# Altium PCB GN-1876-HI3519AV100_V1.PCBDOC (part 3 of 6)
Units mil, origin at the board's own origin, x right, y up, seen from the top; angles counter-clockwise.
Board outline 3755 x 2651.95 mil, 4 copper layers (Top Layer, Mid-Layer 1, Mid-Layer 2, Bottom Layer); 463 components, 378 nets, 2062 pads, 1225 vias.
Unrouted connection lines stored in the file: 13.
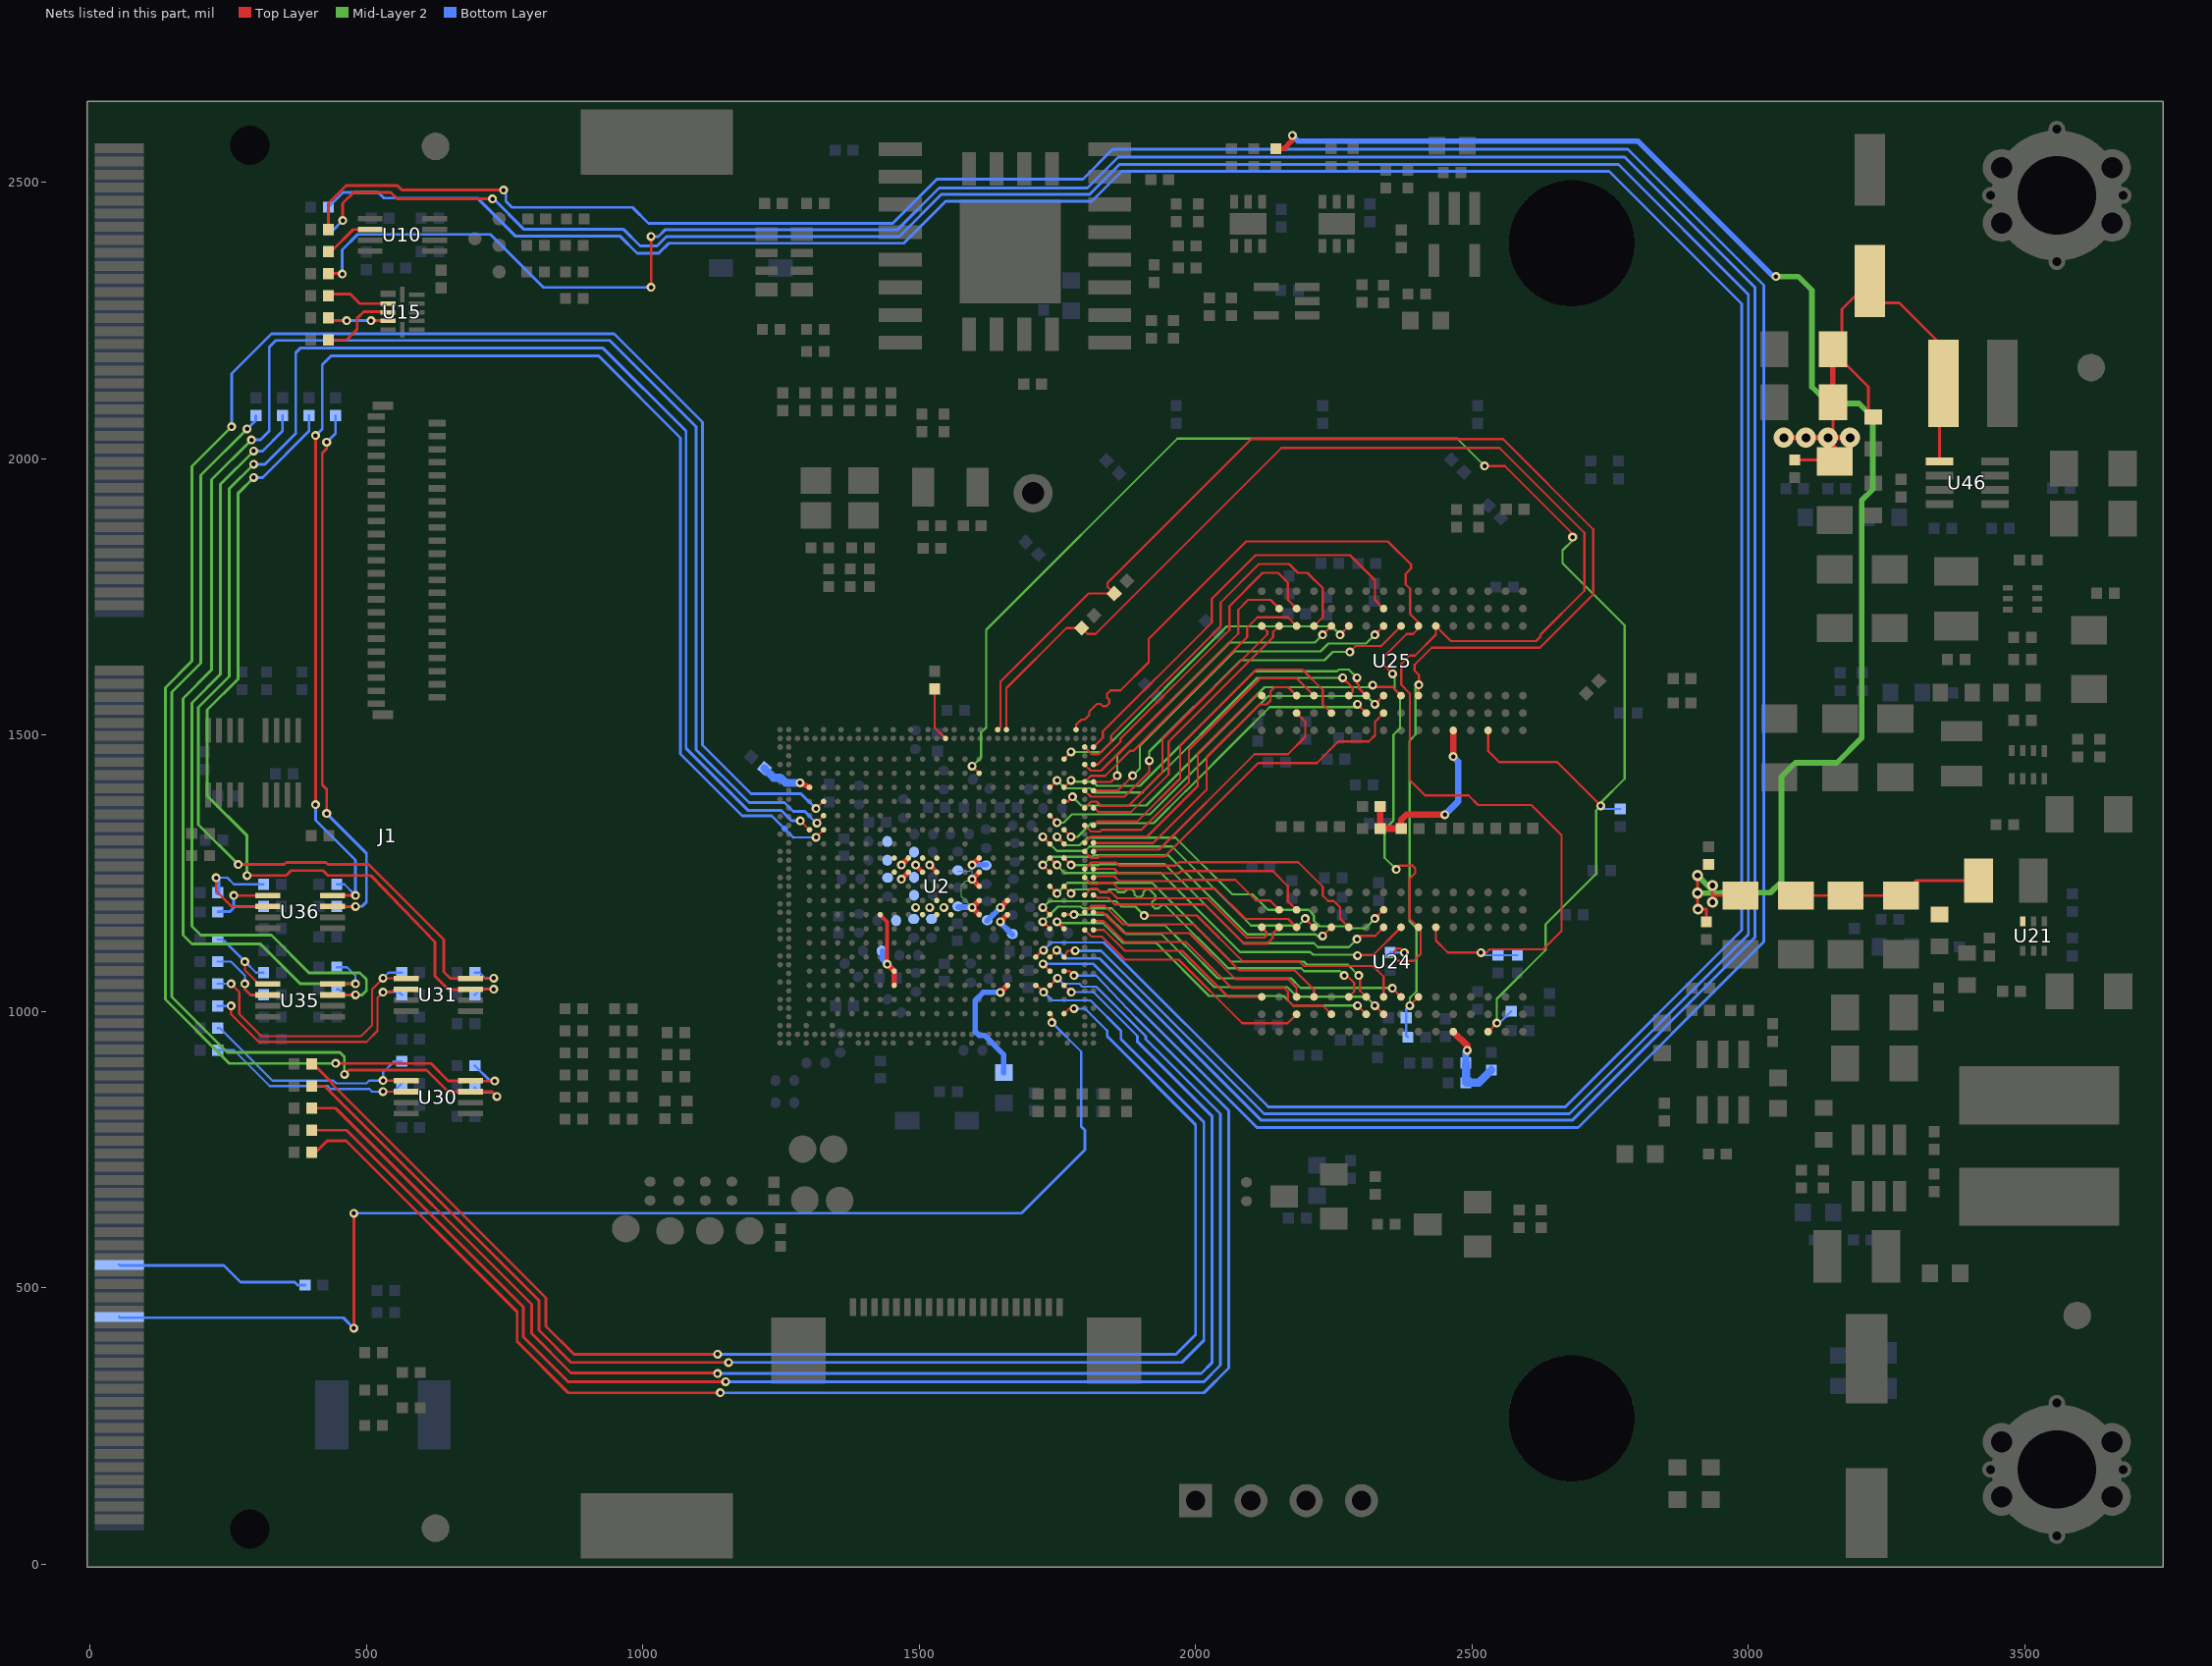
[diagram p5: the nets of this part, all layers, seen from the top]

## Via types
v1: diameter 16, hole 8, Top Layer to Bottom Layer, 733 vias
v2: diameter 20, hole 10, Top Layer to Bottom Layer, 362 vias
v3: diameter 18, hole 8, Top Layer to Bottom Layer, 100 vias
v4: diameter 36, hole 16, Top Layer to Bottom Layer, 30 vias

## Nets (pads, with @x,y where several pads share a name; then routed paths per layer and width w, separated by ;. In a path a pad name is that pad's centre, name@x,y a point inside that pad or via, vN(x,y) a via of type N, cw(c..) or ccw(c..) an arc to the next point about the centre after c; other vN are vias at no path point) (continued)
DDR0_CLK0_P: R225.2 U2.C1 U24.K7 U25.K7 | length 1769.2
  Top Layer w4: U2.C1@1783.66,1509.96 1783.6,1510.02 1783.6,1518.64 1793.31,1528.35 1799.45,1528.35 1807.73,1536.63 1807.73,1542.77 1821.56,1556.6 1828.2,1556.6 1832.13,1552.67 1838.77,1552.67 1843.48,1557.38 1843.48,1564.02 1839.55,1567.95 1839.55,1574.6 1846.11,1581.16 1864,1581.16 1915,1632.16 1915,1674.32 2091.38,1850.7 2347.54,1850.7 2389.63,1808.61 2389.63,1801.53 2380,1791.9 2380,1772.9 2388.1,1764.8 2388.1,1719.05 2403.12,1704.03 U25.K7@2403.12,1697.51 2403.12,1692.84 2393.44,1683.16 2382.01,1683.16 2341.13,1642.28 2341.13,1626.24 v1(2356.27,1611.1) ; v1(2363,1257.16) 2363,1259.16 2368,1264.16 2392.38,1264.16 2397.38,1259.16 2397.38,1250.54 2387.37,1240.53 2387.37,1168.26 U24.K7@2403.12,1152.51 2407.1,1148.53 2407.1,1104.26 2394.53,1091.69 2365.2,1091.69 2359.36,1097.53 2359.36,1108.71 2364.36,1113.71 2370.44,1113.71 v1(2377.45,1106.7)
  Mid-Layer 2 w4: v1(2356.27,1611.1) 2360,1607.37 2360,1582.84 2369.9,1572.94 2369.9,1512.49 2358,1500.59 2358,1345.14 2342,1329.14 2342,1278.16 v1(2363,1257.16)
  Bottom Layer w4: R225.2@2352.1,1106.7 v1(2377.45,1106.7)
DDR0_CS0_N: C225.1 R246.1 R247.2 U2.L1 U24.L7 U25.L7 | length 2948.7
  Top Layer w4: U2.L1@1657.67,1509.96 1657.69,1584.96 1766.58,1693.85 1793.69,1693.85 1804.38,1683.16 1819,1683.16 2155.54,2019.7 2549.52,2019.7 2703.33,1865.89 2703.33,1761.23 2624,1681.9 2624,1678.16 2616,1670.16 2461.97,1670.16 U25.L7@2434.62,1697.51 2434.62,1681.79 2396.99,1644.16 2387,1644.16 2372,1629.16 2372,1591.16 2387.38,1575.78 2387.38,1418.78 2415,1391.16 2493.74,1391.16 2511.24,1373.66 2607.24,1373.66 2662.1,1318.8 2662.1,1146 2628.8,1112.7 2532.54,1112.7 2526.54,1106.7 v1(2516,1106.7) 2456.46,1106.7 2434.62,1128.54 U24.L7@2434.62,1152.51
  Bottom Layer w4: v1(2516,1106.7) 2521,1101.7 R246.1@2547.1,1101.7 R247.2@2582.1,1101.7
DDR0_DM0: U2.1B9 U24.E7 | length 614.5
  Top Layer w4: v1(1723.62,1264.89) U2.1B9@1736.41,1252.09 ; v1(2229.9,1136.77) U24.E7@2245.64,1152.51
  Mid-Layer 2 w4: v1(1723.62,1264.89) 1738.47,1279.74 1812.1,1279.74 1815.06,1282.7 1950.47,1282.7 2093.47,1139.7 2217.46,1139.7 2220.39,1136.77 v1(2229.9,1136.77)
DDR0_DM1: U2.A23 U24.E2 | length 509.6
  Top Layer w4: U2.A23@1815.15,1163.51 1833.3,1163.51 1871.11,1125.7 1982.36,1125.7 2065.36,1042.7 2160.1,1042.7 2167.1,1035.7 2167.1,1019.7 2176.1,1010.7 2229.97,1010.7 U24.E2@2245.64,995.03
DDR0_DM2: U2.A7 U25.E7 | length 569.3
  Top Layer w4: U2.A7@1815.15,1415.48 1846.88,1415.48 v1(1858.1,1426.7) ; v1(2229.9,1681.77) U25.E7@2245.64,1697.51
  Mid-Layer 2 w4: v1(1858.1,1426.7) 1858.1,1464.25 2061.62,1667.77 2215.9,1667.77 v1(2229.9,1681.77)
DDR0_DM3: U2.A12 U25.E2 | length 629.7
  Top Layer w4: U2.A12@1815.15,1336.74 1822.11,1343.7 1894.1,1343.7 1972.1,1421.7 1972.1,1480.59 2110.21,1618.7 2193.1,1618.7 2229.89,1581.91 2229.89,1555.78 U25.E2@2245.64,1540.03
DDR0_DQ0: U2.1A13 U24.G2 | length 646.9
  Top Layer w4: v1(2292.9,1010.77) U24.G2@2308.64,995.03
  Top Layer w5.1: v1(1749.21,1162.51) U2.1A13@1762,1149.73
  Mid-Layer 2 w4: v1(1749.21,1162.51) 1751.52,1160.2 1832.16,1160.2 1868.04,1124.32 1928.57,1124.32 2024.57,1028.32 2159.22,1028.32 2176.77,1010.77 v1(2292.9,1010.77)
DDR0_DQ1: U2.B17 U24.F7 | length 557.3
  Top Layer w4: U2.B17@1799.41,1258 1811.11,1269.7 1856.09,1269.7 1861.66,1264.13 1964.13,1264.13 1970.13,1270.13 2185.76,1270.13 2230,1225.89 2230,1209.9 2239.74,1200.16 2249.74,1200.16 2261.39,1188.51 2261.39,1168.26 U24.F7@2277.14,1152.51
DDR0_DQ2: U2.1B12 U24.H3 | length 732.5
  Top Layer w4: v1(1907.1,1173.7) 2002.25,1173.7 2085.25,1090.7 2187.46,1090.7 2196,1082.16 2321,1082.16 2340.13,1063.03 U24.H3@2340.13,1026.53
  Top Layer w5.1: v1(1723.62,1188.1) U2.1B12@1736.41,1175.32
  Mid-Layer 2 w4: v1(1723.62,1188.1) 1735.22,1199.7 1856.1,1199.7 1866.1,1189.7 1891.1,1189.7 v1(1907.1,1173.7)
DDR0_DQ3: U2.1A8 U24.H7 | length 661.1
  Top Layer w4: U2.1A8@1762,1277.68 v1(1774.79,1264.89) ; v1(2292,1131.16) 2298,1137.16 2324.78,1137.16 U24.H7@2340.13,1152.51
  Mid-Layer 2 w4: v1(1774.79,1264.89) 1824.29,1264.89 1826.1,1266.7 1943.84,1266.7 2086.84,1123.7 2214.1,1123.7 2221.1,1116.7 2277.54,1116.7 v1(2292,1131.16)
DDR0_DQ4: U2.1A12 U24.H2 | length 652.8
  Top Layer w4: v1(2324.39,1010.77) U24.H2@2340.13,995.03
  Top Layer w5.1: U2.1A12@1762,1175.32 v1(1780.1,1175.32)
  Mid-Layer 2 w4: v1(1780.1,1175.32) 1839.14,1175.32 1874.14,1140.32 1937.55,1140.32 2033.55,1044.32 2165.85,1044.32 2183.4,1026.77 2308.39,1026.77 v1(2324.39,1010.77)
DDR0_DQ5: U2.1A7 U24.H8 | length 708.4
  Top Layer w4: v1(1749.21,1316.06) U2.1A7@1762,1303.27 ; v1(2324.39,1168.27) U24.H8@2340.13,1184.01
  Mid-Layer 2 w4: v1(1749.21,1316.06) 1764.57,1300.7 1790.1,1300.7 1804.1,1314.7 1963.73,1314.7 2066.53,1211.9 2103,1211.9 2130.89,1184.01 2204,1184.01 2214,1174.01 2214,1164.34 2224.09,1154.25 2271.65,1154.25 2275,1150.9 2307.02,1150.9 v1(2324.39,1168.27)
DDR0_DQ6: U2.1B13 U24.J3 | length 744.9
  Top Layer w4: v1(2355.89,1042.27) U24.J3@2371.63,1026.53
  Top Layer w5.1: v1(1723.62,1162.51) U2.1B13@1736.41,1149.73
  Mid-Layer 2 w4: v1(1723.62,1162.51) 1750.81,1189.7 1792.1,1189.7 1795.1,1186.7 1848.1,1186.7 1878.48,1156.32 1944.18,1156.32 1980,1120.51 1982.34,1118.17 2040.2,1060.32 2172.48,1060.32 2190.03,1042.77 2355.39,1042.77 v1(2355.89,1042.27)
DDR0_DQ7: U2.1B8 U24.J7 | length 729.6
  Top Layer w4: U2.1B8@1736.41,1277.68 v1(1749.2,1264.88) ; v1(2293,1101.16) 2294,1102.16 2321.28,1102.16 U24.J7@2371.63,1152.51
  Mid-Layer 2 w4: v1(1749.2,1264.88) 1763.38,1250.7 1937.21,1250.7 2080.21,1107.7 2207.47,1107.7 2212.47,1102.7 2291.46,1102.7 v1(2293,1101.16)
DDR0_DQ8: U2.A24 U24.A3 | length 354.7
  Top Layer w4: U2.A24@1815.16,1147.75 1834.06,1147.75 1872.11,1109.7 1975.73,1109.7 2058.9,1026.53 U24.A3@2119.66,1026.53
DDR0_DQ9: U2.A18 U24.B8 | length 363.8
  Top Layer w4: U2.A18@1815.15,1242.25 1817.6,1244.7 1853.02,1244.7 1861.59,1236.13 1975.73,1236.13 1977.73,1238.13 2071.67,1238.13 2109.1,1200.7 2134.47,1200.7 U24.B8@2151.16,1184.01
DDR0_DQ10: U2.A22 U24.C3 | length 440.5
  Top Layer w4: U2.A22@1815.15,1179.26 1832.55,1179.26 1870.11,1141.7 1988.99,1141.7 2071.99,1058.7 2167.1,1058.7 2182.65,1043.15 U24.C3@2182.65,1026.53
DDR0_DQ11: U2.B18 U24.C7 | length 422.1
  Top Layer w4: U2.B18@1799.41,1242.25 1810.96,1230.7 1823.1,1230.7 1825.1,1232.7 1850.1,1232.7 1860.67,1222.13 2035.67,1222.13 2090.1,1167.7 2167.46,1167.7 U24.C7@2182.65,1152.51
DDR0_DQ12: U2.B24 U24.C2 | length 460
  Top Layer w4: U2.B24@1799.41,1147.76 1811.47,1135.7 1830.1,1135.7 1872.1,1093.7 1969.1,1093.7 2084.1,978.7 2166.32,978.7 U24.C2@2182.65,995.03
DDR0_DQ13: U2.A17 U24.C8 | length 417.4
  Top Layer w4: U2.A17@1815.15,1258 1852.8,1258 1860.67,1250.13 1969.93,1250.13 1973.93,1254.13 2139.67,1254.13 2167.1,1226.7 2167.1,1199.56 U24.C8@2182.65,1184.01
DDR0_DQ14: U2.B22 U24.D3 | length 495.4
  Top Layer w4: U2.B22@1799.41,1179.26 1811.1,1190.95 1835.85,1190.95 1869.1,1157.7 1995.62,1157.7 2078.62,1074.7 2179.1,1074.7 2214.15,1039.65 U24.D3@2214.15,1026.53
DDR0_DQ15: U2.1B7 U24.D7 | length 593.3
  Top Layer w4: v1(1723.66,1316.02) U2.1B7@1736.41,1303.27 ; v1(2198.41,1168.25) U24.D7@2214.15,1152.51
  Mid-Layer 2 w4: v1(1723.66,1316.02) 1748.98,1290.7 1800.09,1290.7 1808.09,1298.7 1957.1,1298.7 2100.1,1155.7 2185.86,1155.7 v1(2198.41,1168.25)
DDR0_DQ16: U2.1A6 U25.G2 | length 657.7
  Top Layer w4: U2.1A6@1762,1328.86 v1(1774.79,1316.07) ; v1(2292.9,1555.77) U25.G2@2308.64,1540.03
  Mid-Layer 2 w4: v1(1774.79,1316.07) 1786.47,1316.07 1811.1,1340.7 1923.99,1340.7 1982.34,1399.05 1984.22,1400.94 2077.69,1494.4 2134.06,1550.77 2287.9,1550.77 v1(2292.9,1555.77)
DDR0_DQ17: U2.1A1 U25.F7 | length 627.2
  Top Layer w4: U2.1A1@1762,1456.81 v1(1774.79,1469.6) ; v1(2261.39,1681.76) U25.F7@2277.14,1697.51
  Mid-Layer 2 w4: v1(1774.79,1469.6) 1829.44,1469.6 2056.54,1696.7 2246.45,1696.7 v1(2261.39,1681.76)
DDR0_DQ18: U2.1B5 U25.H3 | length 716.6
  Top Layer w4: U2.1B5@1736.41,1354.45 v1(1749.2,1341.66) ; v1(2324.39,1555.79) U25.H3@2340.13,1571.53
  Mid-Layer 2 w4: v1(1749.2,1341.66) 1761.06,1341.66 1776.1,1356.7 1917.36,1356.7 2131.43,1570.77 2309.41,1570.77 v1(2324.39,1555.79)
DDR0_DQ19: U2.A8 U25.H7 | length 672.7
  Top Layer w4: U2.A8@1815.15,1399.73 1859.13,1399.73 v1(1886.1,1426.7) ; v1(2324.38,1681.76) U25.H7@2340.13,1697.51
  Mid-Layer 2 w4: v1(1886.1,1426.7) 1899.1,1439.7 1899.1,1481.26 2069.61,1651.77 2226.17,1651.77 2240.1,1665.7 2308.32,1665.7 v1(2324.38,1681.76)
DDR0_DQ20: U2.B15 U25.H2 | length 668.6
  Top Layer w4: U2.B15@1799.41,1289.49 1811.06,1277.84 1823.02,1277.84 1825.88,1280.7 1944.3,1280.7 2113.3,1449.7 2219.1,1449.7 2258.1,1488.7 2313.54,1488.7 2324.38,1499.54 2324.38,1524.28 U25.H2@2340.13,1540.03
DDR0_DQ21: U2.A3 U25.H8 | length 761.5
  Top Layer w4: U2.A3@1815.15,1478.47 1832.1,1495.42 1832.1,1506.7 2029.1,1703.7 2029.1,1746.7 2108.1,1825.7 2279.1,1825.7 2324.38,1780.42 2324.38,1744.76 U25.H8@2340.13,1729.01
DDR0_DQ22: U2.1A4 U25.J3 | length 718.1
  Top Layer w4: U2.1A4@1762,1380.04 1768.44,1380.04 v1(1777.1,1388.7) ; v1(2320.5,1590.66) 2323.89,1587.27 2355.89,1587.27 U25.J3@2371.63,1571.53
  Mid-Layer 2 w4: v1(1777.1,1388.7) 1793.1,1372.7 1910.73,1372.7 2124.8,1586.77 2316.61,1586.77 v1(2320.5,1590.66)
DDR0_DQ23: U2.B8 U25.J7 | length 726.1
  Top Layer w4: U2.B8@1799.41,1399.73 1810.44,1388.7 1871.1,1388.7 1916.1,1433.7 v1(1916.1,1453.7) ; v1(2279,1650.7) 2289.46,1661.16 2335.28,1661.16 U25.J7@2371.63,1697.51
  Mid-Layer 2 w4: v1(1916.1,1453.7) 1916.1,1470.27 2081.6,1635.77 2233.17,1635.77 2248.1,1650.7 v1(2279,1650.7)
DDR0_DQ24: U2.B14 U25.A3 | length 465.1
  Top Layer w4: U2.B14@1799.41,1305.24 1810.87,1316.7 1912.38,1316.7 2004.1,1408.42 2004.1,1467.33 2108.3,1571.53 U25.A3@2119.66,1571.53
DDR0_DQ25: U2.B5 U25.B8 | length 516
  Top Layer w4: U2.B5@1799.41,1446.97 1810.54,1435.84 1829.13,1435.84 2077.1,1683.81 2077.1,1726.81 2094.99,1744.7 2135.47,1744.7 U25.B8@2151.16,1729.01
DDR0_DQ26: U2.A14 U25.C3 | length 534.7
  Top Layer w4: U2.A14@1815.15,1305.24 1815.69,1304.7 1923.02,1304.7 2020.1,1401.78 2020.1,1460.7 2115.18,1555.78 2128.18,1555.78 2135.41,1563.01 2135.41,1579.01 2143.1,1586.7 2167.48,1586.7 U25.C3@2182.65,1571.53
DDR0_DQ27: U2.B7 U25.C7 | length 523.4
  Top Layer w4: U2.B7@1799.41,1415.48 1810.43,1426.5 1836.39,1426.5 1881.59,1471.7 1887.62,1471.7 2093.1,1677.18 2093.1,1694.69 2111.67,1713.26 2166.9,1713.26 U25.C7@2182.65,1697.51
DDR0_DQ28: U2.A15 U25.C2 | length 518.8
  Top Layer w4: U2.A15@1815.15,1289.49 1818.36,1292.7 1933.66,1292.7 2106.66,1465.7 2167.1,1465.7 2198.4,1497 2198.4,1524.28 U25.C2@2182.65,1540.03
DDR0_DQ29: U2.A5 U25.C8 | length 584.4
  Top Layer w4: U2.A5@1815.15,1446.97 1822.9,1446.97 1864.1,1488.17 1864.1,1493.44 2061.1,1690.44 2061.1,1733.44 2121.36,1793.7 2149.1,1793.7 2166.9,1775.9 2166.9,1744.76 U25.C8@2182.65,1729.01
DDR0_DQ30: U2.B12 U25.D3 | length 581.6
  Top Layer w4: U2.B12@1799.41,1336.74 1810.56,1325.59 1827,1325.59 1830.11,1328.7 1901.74,1328.7 1988.1,1415.06 1988.1,1473.96 2116.84,1602.7 2182.98,1602.7 U25.D3@2214.15,1571.53
DDR0_DQ31: U2.B3 U25.D7 | length 703
  Top Layer w4: U2.B3@1799.41,1478.47 1812.18,1465.7 1824.65,1465.7 1847.1,1488.15 1847.1,1499.07 2045.1,1697.07 2045.1,1740.07 2114.73,1809.7 2169.2,1809.7 2185,1793.9 2202,1793.9 2229.89,1766.01 2229.89,1713.25 U25.D7@2214.15,1697.51
DDR0_DQS0_N: U2.1A10 U24.F3 | length 680.1
  Top Layer w4: U2.1A10@1762,1226.5 v1(1774.79,1213.71) ; v1(2269,1065.23) 2273.56,1065.23 2286.66,1052.13 2286.66,1036.05 U24.F3@2277.14,1026.53
  Mid-Layer 2 w4: v1(1774.79,1213.71) 1781.78,1220.7 1822.96,1220.7 1827.76,1215.9 1839,1215.9 1843.8,1220.7 1855.04,1220.7 1859.84,1215.9 1871.08,1215.9 1875.88,1220.7 1884.75,1220.7 1889.45,1216 1889.45,1211.6 1894.15,1206.9 1900.79,1206.9 1905.49,1211.6 1905.49,1216 1910.19,1220.7 1916.48,1220.7 1926.95,1210.23 1926.95,1203.59 1921.45,1198.09 1921.45,1191.45 1926.16,1186.74 1932.8,1186.74 1938.3,1192.24 1944.94,1192.24 2059.02,1078.16 2191,1078.16 2196,1073.16 2261.07,1073.16 v1(2269,1065.23)
DDR0_DQS0_P: U2.1B10 U24.G3 | length 685.5
  Top Layer w4: U2.1B10@1736.41,1226.5 v1(1749.2,1213.71) ; v1(2295,1065.23) 2297.66,1062.57 2297.66,1037.51 U24.G3@2308.64,1026.53
  Mid-Layer 2 w4: v1(1749.2,1213.71) 1768.19,1232.7 1921.46,1232.7 2064,1090.16 2195.98,1090.16 2200.98,1085.16 2275.07,1085.16 v1(2295,1065.23)
DDR0_DQS1_N: U2.B20 U24.A7 | length 390.5
  Top Layer w4: U2.B20@1799.41,1210.75 1810.86,1222.2 1821.6,1222.2 1827.1,1216.7 1846.08,1216.7 1858.08,1204.7 2021.08,1204.7 2092.08,1133.7 2124.41,1133.7 2128.41,1137.7 2128.41,1143.76 U24.A7@2119.66,1152.51
DDR0_DQS1_P: U2.A20 U24.B7 | length 389.3
  Top Layer w4: U2.A20@1815.15,1210.75 1817.49,1210.75 1822.54,1205.7 1841.52,1205.7 1853.52,1193.7 2016.52,1193.7 2087.52,1122.7 2128.97,1122.7 2139.41,1133.14 2139.41,1140.76 U24.B7@2151.16,1152.51
DDR0_DQS2_N: U2.1B3 U25.F3 | length 672.8
  Top Layer w4: U2.1B3@1736.41,1405.63 v1(1749.21,1418.42) ; v1(2266.1,1603.75) 2284.1,1585.75 2284.1,1578.49 U25.F3@2277.14,1571.53
  Mid-Layer 2 w4: v1(1749.21,1418.42) 1763.97,1403.66 1809.5,1403.66 1817,1396.16 1904,1396.16 2111.59,1603.75 v1(2266.1,1603.75)
DDR0_DQS2_P: U2.1A3 U25.G3 | length 672.1
  Top Layer w4: U2.1A3@1762,1405.63 v1(1774.8,1418.42) ; v1(2292.1,1603.75) 2292.1,1593.31 2295.1,1590.31 2295.1,1585.07 U25.G3@2308.64,1571.53
  Mid-Layer 2 w4: v1(1774.8,1418.42) 1777.56,1415.66 1814.48,1415.66 1821.98,1408.16 1899.02,1408.16 2106.61,1615.75 2256.15,1615.75 2259.1,1618.7 2277.15,1618.7 v1(2292.1,1603.75)
DDR0_DQS3_N: U2.B10 U25.A7 | length 520.7
  Top Layer w4: U2.B10@1799.41,1368.23 1810.88,1379.7 1821.1,1379.7 1829.1,1371.7 1878.1,1371.7 1940.1,1433.7 1940.1,1492.79 2129.41,1682.1 2129.41,1687.76 U25.A7@2119.66,1697.51
DDR0_DQS3_P: U2.A10 U25.B7 | length 518.7
  Top Layer w4: U2.A10@1815.15,1368.23 1817.01,1368.23 1824.54,1360.7 1882.66,1360.7 1951.1,1429.14 1951.1,1488.23 2140.41,1677.54 2140.41,1686.76 U25.B7@2151.16,1697.51
DDR0_ODT0: C113.1 R248.2 R249.1 U2.M1 U24.K3 U25.K3 | length 2673.9
  Top Layer w4: U2.M1@1641.93,1509.96 1647,1515.03 1647,1596.9 1806.45,1756.35 C113.1@1852.78,1756.34 1840.66,1768.47 1840.66,1775.56 2100.8,2035.7 2556.15,2035.7 2719.33,1872.52 2719.33,1754.6 2622.89,1658.16 2427.01,1658.16 2396,1627.15 2396,1616.92 2404,1608.92 v1(2404,1591.16) 2403.12,1590.28 U25.K3@2403.12,1571.53 ; v1(2387.38,1010.79) U24.K3@2403.12,1026.53
  Mid-Layer 2 w4: v1(2387.38,1010.79) 2387.38,1024.53 2389.01,1026.15 2399.45,1036.6 2399.45,1150.72 2387,1163.17 2387,1489.96 2397.91,1500.87 2397.91,1586.16 2402.91,1591.16 v1(2404,1591.16)
  Bottom Layer w4: R248.2@2384,953.66 2381,956.66 R249.1@2381,988.66 2381,1004.41 v1(2387.38,1010.79)
DDR0_RESET_N: C34.1 C35.1 U2.1G2 U24.P1 U25.P1 | length 2962.5
  Top Layer w4: v1(1595.71,1443.97) U2.1G2@1608.46,1431.22 ; v1(2523,1986.9) 2559.5,1986.9 2682,1864.4 v1(2682,1858.16) ; U24.P1@2529.11,963.54 v1(2544.85,979.28) ; U25.P1@2529.11,1508.54 2529.11,1471.41 2549.24,1451.28 2653.88,1451.28 v1(2733,1372.16)
  Mid-Layer 2 w4: v1(1595.71,1443.97) 1611.71,1459.97 1611.71,1504.62 1621.1,1514.01 1621.1,1690.86 1966.94,2036.7 2473.2,2036.7 v1(2523,1986.9) ; v1(2544.85,979.28) 2544.85,1023.01 2633.1,1111.26 2633.1,1157.76 2724.6,1249.26 2724.6,1363.76 v1(2733,1372.16) 2733,1378.16 2776,1421.16 2776,1698.83 2664,1810.83 2664,1834.48 2682,1852.48 v1(2682,1858.16)
  Bottom Layer w4: v1(2544.85,979.28) 2549.68,979.28 C34.1@2571.1,1000.7 ; v1(2733,1372.16) 2738.46,1366.7 C35.1@2768.1,1366.7
DDR0_VREFCA0: C271.1 R395.1 R396.2 U24.M1 | length 159.3
  Top Layer w12: U24.M1@2466.12,963.54 2491.3,938.36 v1(2491.3,929.73)
  Bottom Layer w12: C271.1@2489,906.9 2489,927.43 v1(2491.3,929.73)
  Bottom Layer w15: C271.1@2489,906.9 R395.1@2489,871.16 2512,871.16 R396.2@2535,894.16
DDR0_VREFCA1: C270.1 R397.1 R398.2 U25.M1 | length 343
  Top Layer w12: R398.2@2334,1370.88 R397.1@2334,1330.88 C270.1@2372,1330.88 2372,1347.16 2381,1356.16 v1(2451,1356.16) ; v1(2466.12,1461.16) U25.M1@2466.12,1508.54
  Bottom Layer w12: v1(2451,1356.16) 2475,1380.16 2475,1452.28 v1(2466.12,1461.16)
DDR0_ZQ: R293.1 U2.V2 | length 97.5
  Top Layer w4: R293.1@1528.1,1583.7 1528.1,1513.56 U2.V2@1547.44,1494.22
DVDD: C6.1 C16.1 C17.1 C199.1 C200.1 C294.1 C330.1 C332.1 C333.1 C334.1 L3.2 R34.1 R35.1 U2.1G8 U2.1G9 U2.1G10 U2.1G11 U2.1G12 U2.1N16 U2.1N17 U2.1P12 U21.6 | length 3547.7
  Top Layer w5.1: U2.1P12@1429.33,1175.32 U2.1P12@1429.67,1174.98 ; v2(2908,1246.16) v2(2908,1214.16) 2908,1186.16 v2(2909,1185.16) 2924,1185.16 C200.1@2924,1162.16 ; v2(2935,1197.9) 2935,1209.76 ; v2(2935,1227.9) 2935,1209.76 ; C332.1@2986,1209.76 2935,1209.76 ; C330.1@3086,1209.76 C333.1@3176,1209.76 C334.1@3276,1209.76 3303,1236.76 L3.2@3416.38,1236.76
  Top Layer w7: U2.1P12@1429.67,1174.98 1442.13,1162.52 v1(1442.13,1085.76)
  Top Layer w10: v1(1442.13,1085.76) U2.1N16@1454.92,1072.96 U2.1N17@1454.92,1047.37 ; v1(1595.71,1264.85) 1608.46,1277.6 U2.1G8@1608.46,1277.68 ; U2.1G12@1608.46,1175.32 v1(1595.67,1188.12) U2.1G11@1608.46,1200.91 ; U2.1G10@1608.46,1226.5 v1(1595.67,1239.3) U2.1G9@1608.46,1252.09 ; R34.1@2145,2561.16 2160,2561.16 2173.84,2575 2173.84,2583.84 v1(2175,2585)
  Mid-Layer 2 w2: v1(1595.67,1188.12) 1576,1207.79 1576,1228 1584,1236 1595.67,1236 v1(1595.67,1239.3)
  Mid-Layer 2 w10: v2(2908,1214.16) 2949.16,1214.16 2950,1215 3040,1215 3060,1235 3060,1425 3085,1450 3160,1450 3205,1495 3205,1925 3225,1945 3225,2075 3200,2100 3145,2100 3115,2130 3115,2305 3090,2330 v1(3050,2330) ; v2(2908,1246.16) v2@2935,1219.16 ; v2(2935,1227.9) v2@2935,1219.16 ; v2@2935,1219.16 2939.16,1215 2935,1215 v2@2935,1219.16
  Bottom Layer w2: C6.1@1569.79,1254.03 1592,1254.03 1592,1261.14 v1@1595.67,1264.81 ; v1(1595.67,1239.3) v1@1595.67,1264.81 ; v1(1595.71,1264.85) v1@1595.67,1264.81
  Bottom Layer w10: C294.1@1433.6,1109.7 1433.6,1094.29 v1(1442.13,1085.76) ; C17.1@1569.79,1188.81 1594.98,1188.81 v1(1595.67,1188.12) ; v1(1595.71,1264.85) 1596.84,1265.98 C16.1@1621.1,1265.98 ; v1(2175,2585) 2185,2575 2800,2575 3045,2330 v1(3050,2330)
DVDD18_LDO_DECAP_1: C422.1 U2.1E12 | length 50.7
  Top Layer w10: v1(1646.85,1162.53) U2.1E12@1659.64,1175.32
  Bottom Layer w10: v1(1646.85,1162.53) 1646.85,1160.54 1667.73,1139.66 C422.1@1668.48,1138.91
DVDD18_LDO_DECAP_2: C424.1 U2.1E11 | length 52.3
  Top Layer w10: v1(1646.85,1188.12) U2.1E11@1659.64,1200.91
  Bottom Layer w10: C424.1@1623,1163.76 1623,1164.27 1623.49,1164.76 v1(1646.85,1188.12)
DVDD3318_SDIO_VOUT: C57.1 U2.1E17 | length 227.9
  Top Layer w10: v1(1646.85,1034.57) U2.1E17@1659.64,1047.37
  Bottom Layer w10: v1(1646.85,1034.57) 1615.67,1034.57 1601.08,1019.98 1601.08,963.82 1608,956.9 1618,956.9 1653,921.9 C57.1@1653,889.4
DVDD_CPU_MEDIA: C10.1 C20.1 C21.1 C27.1 C28.1 C36.1 C37.1 C59.1 C173.1 C210.1 C340.1 C341.1 C343.1 C344.1 L2.2 R33.1 U2.1J11 U2.1J12 U2.1K8 U2.1K9 U2.1K11 U2.1K12 U2.1L8 U2.1L9 U2.1L12 U2.1M8 U2.1M9 U2.1N8 U2.1N9 U46.5 | length 1247.4
  Top Layer w5.1: C210.1@3084,1998.16 C341.1@3153,1998.16 ; C340.1@3153,2102.16 3153,2038.16 3153,2022.9 C341.1@3153,1998.16 ; C343.1@3153,2198.16 C343.1@3169,2178.16 ; C341.1@3156,1995.16 C341.1@3153,1998.16 ; R33.1@3226,2075.76 3219.6,2082.16 3217,2082.16 3217,2130.16 C343.1@3169,2178.16 ; U46.5@3345.8,1995.15 3345.8,2129.79 L2.2@3352.77,2136.76 3352.77,2202.16 3272.77,2282.16 3224,2282.16 3224,2317.73 C344.1@3220,2321.73 3169,2270.73 C343.1@3169,2178.16
  Top Layer w8: v1@1493.31,1264.89 U2.1L9@1506.1,1252.09 ; v1(1493.35,1264.9) v1(1493.35,1264.9) ; v1(1518.94,1264.9) U2.1K9@1531.69,1252.09 ; v1(1518.94,1264.9) v1@1518.99,1264.9
  Top Layer w10: v1(1467.76,1239.26) U2.1M9@1480.55,1252.05 ; v1(1467.76,1264.85) U2.1M8@1480.55,1277.64 ; v4(3064,2038.16) v4(3104,2038.16) v4@3137.74,2038.16 ; C340.1@3153,2102.16 C343.1@3153,2198.16 ; C341.1@3156,1995.16 3156,2019.9 3153,2022.9 v4@3137.74,2038.16 ; v4(3184,2038.16) 3153,2038.16 v4(3144,2038.16) v4@3137.74,2038.16
  other v1: 1493.32,1188.12 1518.91,1188.1 1544.5,1188.1
EMMC_ZCOMP: R177.1 U2.1W3 | length 93.9
  Top Layer w10: v1(1284.42,1413.61) U2.1W3@1301.38,1405.63
  Bottom Layer w15: R177.1@1220.04,1439.62 1236.51,1423.16 1249,1423.16 1258.55,1413.61 v1(1284.42,1413.61)
EPHY_CLK: J1.164 R53.2 | length 351.2
  Bottom Layer w5.1: J1.164@53,541.87 54.4,540.47 241.69,540.47 272,510.16 370.35,510.16 375.35,505.16 R53.2@389,505.16
EPHY_RSTN: J1.172 U2.1B19 | length 2285.5
  Top Layer w4: U2.1B19@1736.41,996.19 1740,996.19 v1(1740,980.16)
  Top Layer w5.1: v1(477,427.16) v1(477,635.16)
  Bottom Layer w4: v1(1740,980.16) 1793,927.16 1793,792.85
  Bottom Layer w5.1: J1.172@53,447.38 54.4,445.98 458.17,445.98 v1(477,427.16) ; v1(477,635.16) 1685,635.16 1800,750.16 1800,784.89 1793,791.89 1793,792.85
F_CONF_DONE: R423.1 U2.1A19 | length 2576.9
  Top Layer w4: U2.1A19@1762,996.19 1770.97,1005.16 v1(1780,1005.16)
  Top Layer w5.1: R423.1@401,905.16 403.62,905.16 437.31,871.47 437.31,869.35 824.5,482.16 824.5,430.66 875,380.16 v1(1135,380.16)
  Bottom Layer w4: v1(1780,1005.16) 1800,1005.16 1840,965.16
  Bottom Layer w5.1: v1(1135,380.16) 1965,380.16 2000,415.16 2000,795.16 1840,955.16 1840,965.16
F_DATA0: R382.1 U2.1B17 | length 2749.8
  Top Layer w4: U2.1B17@1736.41,1047.37 1749.2,1060.16 v1(1750,1060.16)
  Top Layer w5.1: R382.1@401,785.16 464,785.16 784,465.16 784,411.16 865,330.16 v1(1150,330.16)
  Bottom Layer w4: v1(1750,1060.16) 1760,1050.16 1790,1050.16 1795,1045.16 1820,1045.16 1900,965.16
  Bottom Layer w5.1: v1(1150,330.16) 2015,330.16 2045,360.16 2045,815.16 1910,950.16 1910,955.16 1900,965.16
F_DCLK: R415.1 U2.1A16 | length 2776.2
  Top Layer w4: U2.1A16@1762,1072.96 1772.2,1072.96 v1(1780,1065.16)
  Top Layer w5.1: R415.1@401,745.16 408,745.16 429,766.16 463,766.16 772.5,456.66 772.5,402.66 865,310.16 v1(1140,310.16)
  Bottom Layer w4: v1(1780,1065.16) 1820,1065.16 1891.67,989.01
  Bottom Layer w5.1: v1(1140,310.16) 2015,310.16 2060,355.16 2060,820.68 1891.67,989.01
F_NCONFIG: R419.1 U2.1A17 | length 2684.3
  Top Layer w4: U2.1A17@1762,1047.37 1762.79,1047.37 v1(1775,1035.16)
  Top Layer w5.1: R419.1@401,825.16 444,825.16 798.5,470.66 798.5,417.66 870,346.16 1134,346.16 v1(1135,345.16)
  Bottom Layer w4: v1(1775,1035.16) 1815,1035.16 1895,955.16
  Bottom Layer w5.1: v1(1135,345.16) 2010,345.16 2030,365.16 2030,810.16 1895,945.16 1895,955.16
F_NSTATUS: R416.1 U2.1C17 | length 2679.7
  Top Layer w4: U2.1C17@1710.82,1047.37 1712.79,1047.37 v1(1725,1035.16)
  Top Layer w5.1: R416.1@401,865.16 424,865.16 812,477.16 812,423.16 870,365.16 v1(1155,365.16)
  Bottom Layer w4: v1(1725,1035.16) 1740,1020.16 1810,1020.16 1840,990.16
  Bottom Layer w5.1: v1(1155,365.16) 1975,365.16 2015,405.16 2015,800.16 1865,950.16 1865,965.16 1840,990.16
F_SPI_CLK: R375.1 U2.1A15 | length 5476
  Top Layer w4: U2.1A15@1762,1098.55 1768.61,1110 v1(1782,1110)
  Top Layer w5.1: v1(457,2431.16) 457,2462.16 477,2482.16 544,2482.16 556,2470.16 v1(728,2470.16)
  Bottom Layer w5.1: R375.1@431,2415.16 435,2411.16 437,2411.16 v1(457,2431.16) ; v1(728,2470.16) 730,2470.16 785.08,2415.08 965.17,2415.08 995,2385.25 1025.64,2385.25 1042.54,2402.16 1464,2402.16 1540,2478.16 1808,2478.16 1862.36,2532.52 2765,2532.52 3000,2297.52 3000,1139.16 2676,815.16 2124,815.16 1829,1110 v1(1782,1110)
F_SPI_CS: R425.1 U2.1B15 | length 5647.7
  Top Layer w4: U2.1B15@1736.41,1098.57 v1(1749,1111.16)
  Top Layer w5.1: R425.1@431,2335.16 455,2335.16 v1(456,2334.16) ; v1(1015,2310.16) v1(1015,2402.16)
  Bottom Layer w4: 1765,1096 1826.16,1096 1827,1095.16
  Bottom Layer w5: v1(1749,1111.16) 1749.84,1111.16 1765,1096
  Bottom Layer w5.1: v1(456,2334.16) 456,2378.16 484,2406.16 724,2406.16 820,2310.16 v1(1015,2310.16) ; v1(1015,2402.16) 1028,2402.16 1040,2414.16 1460,2414.16 1536,2490.16 1804,2490.16 1859.96,2546.12 2776.04,2546.12 3012,2310.16 3012,1134.16 2681,803.16 2119,803.16 1827,1095.16
F_SPI_DI: R374.1 U2.1C15 | length 5453
  Top Layer w5.1: U2.1C15@1710.82,1098.55 1723.43,1111.16 v1(1725,1111.16)
  Bottom Layer w4: v1(1725,1111.16) 1739,1125.16 1834,1125.16 1834.5,1124.66
  Bottom Layer w5.1: R374.1@431,2455.16 458,2482.16 521,2482.16 531.5,2471.66 700.5,2471.66 768.92,2403.24 958.34,2403.24 990,2371.58 1028.42,2371.58 1047,2390.16 1472,2390.16 1548,2466.16 1812,2466.16 1866.21,2520.37 2748,2520.37 2988,2280.37 2988,1147.16 2668,827.16 2131,827.16 2131,828.16 1834.5,1124.66
F_SPI_DO: R373.1 U2.1B16 | length 5624.3
  Top Layer w4: v1(1724,1086.16) 1724,1085.37 U2.1B16@1736.41,1072.96
  Top Layer w5.1: R373.1@431,2415.16 431,2462.16 463,2494.16 556,2494.16 564,2486.16 v1(748,2486.16)
  Bottom Layer w4: v1(1724,1086.16) 1815,1086.16 1817.41,1083.75
  Bottom Layer w5.1: v1(748,2486.16) 752.13,2482.02 752.13,2466.02 763.21,2454.95 981.21,2454.95 1010,2426.16 1452,2426.16 1532,2506.16 1796,2506.16 1850,2560.16 2782,2560.16 3028,2314.16 3028,1126.16 2692,790.16 2111,790.16 1817.41,1083.75
F_SYSTEM: R426.1 U10.2 | length 92.1
  Top Layer w4: R426.1@431,2375.16 R426.1@435.16,2375.16
  Top Layer w5.1: R426.1@435.16,2375.16 436.16,2375.16 476,2415 U10.2@506.59,2415
FA_I2S_BCLK: R378.2 U15.3 | length 141.3
  Top Layer w5.1: R378.2@431,2215.16 464,2215.16 483,2234.16 483,2254.16 495,2266.16 538,2266.16 U15.3@539,2265.16
FA_I2S_DA0: R376.2 U15.2 | length 116.4
  Top Layer w5.1: R376.2@431,2295.16 434,2298.16 470.75,2298.16 488,2280.91 U15.2@539,2280.91
FA_I2S_LRCLK: R377.2 U15.4 | length 110.4
  Top Layer w5.1: R377.2@431,2255.16 436,2250.16 v1(464,2250.16) ; v1(508,2250.16) 538.25,2250.16 U15.4@539,2249.41
  Bottom Layer w5.1: v1(464,2250.16) v1(508,2250.16)
G0_A1_I2C_CLK: R393.1 R489.2 U30.6 | length 411.9
  Top Layer w4: v1(530,855.16) 571.43,855.16 U30.6@571.59,855
  Bottom Layer w4: R393.1@231,930.16 260,930.16 325,865.16 430.08,865.16 435.16,860.08 505.08,860.08 510,855.16 v1(530,855.16) 549,855.16 R489.2@564,870.16
G0_A1_I2C_SDA: R417.1 R488.2 U30.5 | length 441.6
  Top Layer w4: v1(530,875.16) 571.12,875.16 U30.5@571.59,874.69
  Bottom Layer w4: R417.1@231,970.16 235,970.16 330,875.16 440.16,875.16 445.16,870.16 500,870.16 505,875.16 v1(530,875.16) 530,890.16 550,910.16 R488.2@564,910.16
G0_A2_I2C_CLK: R392.1 R493.2 U31.6 | length 486.8
  Top Layer w4: v1(255,1010.16) 255,995.16 305,945.16 500,945.16 520,965.16 520,1025.16 v1(530,1035.16) 545.16,1035.16 550,1040 U31.6@571.59,1040
  Bottom Layer w4: R392.1@231,1010.16 v1(255,1010.16) ; v1(530,1035.16) 559,1035.16 R493.2@564,1030.16
G0_A2_I2C_SDA: R410.1 R492.2 U31.5 | length 523.3
  Top Layer w4: v1(255,1050.16) 270,1035.16 270,995.16 310,955.16 490,955.16 510,975.16 510,1040.16 v1(530,1060.16) 571.12,1060.16 U31.5@571.59,1059.69
  Bottom Layer w4: R410.1@231,1050.16 v1(255,1050.16) ; v1(530,1060.16) 540,1070.16 R492.2@564,1070.16
G0A1_I2C_CLK: R113.2 R491.2 U30.3 | length 1852.4
  Top Layer w5.1: v1(460,886.16) 468,894.16 608.84,894.16 648,855 U30.3@688.41,855 728,855 736,847 v1(736,846.16)
  Mid-Layer 2 w5.1: v1(284,2054.16) 200,1970.16 200,1630.16 148,1578.16 148,1026.16 248,926.16 452,926.16 460,918.16 v1(460,886.16)
  Bottom Layer w5.1: v1(284,2054.16) 300,2070.16 R113.2@300,2078.16 ; R491.2@696,862.16 700,858.16 700,854.16 728,854.16 v1(736,846.16)
G0A1_I2C_SDA: R490.2 U2.1V4 U30.4 | length 3690.6
  Top Layer w4: v1(1313,1367.16) 1325.88,1380.04 U2.1V4@1326.97,1380.04
  Top Layer w5.1: v1(444,906.16) 616.53,906.16 648,874.69 U30.4@688.41,874.69 688.94,874.16 v1(732,874.16)
  Mid-Layer 2 w5.1: v1(256,2058.16) 184,1986.16 184,1634.16 136,1586.16 136,1022.16 252,906.16 v1(444,906.16)
  Bottom Layer w5.1: v1(256,2058.16) 256,2154.16 328,2226.16 948,2226.16 1108,2066.16 1108,1482.16 1196,1394.16 1286,1394.16 v1(1313,1367.16) ; R490.2@696,902.16 724,874.16 v1(732,874.16)
G0A2_I2C_CLK: R121.2 R499.2 U31.3 | length 1561.9
  Top Layer w4: U31.3@688.41,1040 688.57,1040.16 v1(730,1040.16)
  Top Layer w5.1: v1(284,1246.16) 355,1246.16 363.84,1255 421.16,1255 430,1246.16 508,1246.16 624,1126.16 624,1064 648,1040 U31.3@688.41,1040
  Mid-Layer 2 w5.1: v1(284,1246.16) 284,1318.16 212,1390.16 212,1546.16 268,1602.16 268,1938.16 v1(296,1966.16)
  Bottom Layer w4: R499.2@696,1030.16 706,1040.16 v1(730,1040.16)
  Bottom Layer w5.1: v1(296,1966.16) 312,1966.16 396,2050.16 R121.2@396,2078.16
G0A2_I2C_SDA: R498.2 U2.1W6 U31.4 | length 3293.6
  Top Layer w4: U31.4@688.41,1059.69 688.88,1060.16 v1(730,1060.16) ; v1(1285,1345) 1301.14,1328.86 U2.1W6@1301.38,1328.86
  Top Layer w5.1: v1(268,1266.16) 350.92,1266.16 354.76,1270 426.16,1270 430,1266.16 504,1266.16 640,1130.16 640,1071.69 652,1059.69 U31.4@688.41,1059.69
  Mid-Layer 2 w5.1: v1(268,1266.16) 196,1338.16 196,1550.16 252,1606.16 252,1946.16 v1(296,1990.16)
  Bottom Layer w4: R498.2@696,1070.16 705,1070.16 715,1060.16 v1(730,1060.16)
  Bottom Layer w5.1: v1(296,1990.16) 316,1990.16 372,2046.16 372,2192.16 380,2200.16 928,2200.16 1078,2050.16 1078,1476.16 1190,1364.16 1250,1364.16 1269.16,1345 v1(1285,1345)
G2_A1_I2C_CLK: R381.1 R501.2 U35.6 | length 178.3
  Top Layer w4: v1(280,1050.16) 280,1040.16 290,1030.16 321.43,1030.16 U35.6@321.59,1030
  Bottom Layer w4: R381.1@231,1090.16 255,1090.16 280,1065.16 v1(280,1050.16) 280,1040.16 290,1030.16 R501.2@314,1030.16
G2_A1_I2C_SDA: R391.1 R500.2 U35.5 | length 175.3
  Top Layer w4: v1(280,1090.16) 280,1074.69 305,1049.69 U35.5@321.59,1049.69
  Bottom Layer w4: R391.1@231,1130.16 240,1130.16 v1(280,1090.16) 300,1070.16 R500.2@314,1070.16
G2_A2_I2C_CLK: R394.1 R506.2 U36.6 | length 247.2
  Top Layer w4: v1(228,1242.16) 228,1218.16 256.16,1190 U36.6@321.59,1190
  Bottom Layer w4: v1(228,1242.16) 231,1242.16 248,1242.16 260,1230.16 R506.2@314,1230.16
  Bottom Layer w10: R394.1@231,1215.16 v1@231,1242.16
G2_A2_I2C_SDA: R379.1 R504.2 U36.5 | length 170.1
  Top Layer w5.1: v1(260,1210.16) 260.47,1209.69 U36.5@321.59,1209.69
  Bottom Layer w4: R504.2@312,1190.16 R504.2@314,1190.16
  Bottom Layer w5.1: R379.1@231,1180.16 232,1181.16 253,1181.16 260,1188.16 260,1190.16 ; v1(260,1210.16) 260,1190.16 ; R504.2@312,1190.16 260,1190.16
G2A1_I2C_CLK: R116.2 R503.2 U35.3 | length 1480.2
  Top Layer w4: U35.3@438.41,1030 438.57,1030.16 v1(480,1030.16)
  Mid-Layer 2 w5.1: v1(296,2014.16) 236,1954.16 236,1610.16 184,1558.16 184,1154.16 200,1138.16 328,1138.16 396,1070.16 488,1070.16 500,1058.16 500,1038.16 492,1030.16 v1(480,1030.16)
  Bottom Layer w4: R503.2@446,1040.16 450,1040.16 460,1030.16 v1(480,1030.16)
  Bottom Layer w5.1: v1(296,2014.16) 312,2014.16 348,2050.16 R116.2@348,2078.16
G2A1_I2C_SDA: R502.2 U2.1V5 U35.4 | length 3301.6
  Top Layer w4: U35.4@438.41,1049.69 438.88,1050.16 v1(480,1050.16) ; v1(1315,1341) 1315,1342.48 U2.1V5@1326.97,1354.45
  Mid-Layer 2 w5.1: v1(292,2034.16) 220,1962.16 220,1618.16 168,1566.16 168,1138.16 184,1122.16 308,1122.16 380,1050.16 v1(480,1050.16)
  Bottom Layer w4: R502.2@446,1080.16 465,1080.16 480,1065.16 v1(480,1050.16)
  Bottom Layer w5.1: v1(292,2034.16) 308,2034.16 324,2050.16 324,2202.16 336,2214.16 940,2214.16 1096,2058.16 1096,1474.16 1192,1378.16 1256,1378.16 1272,1362.16 1293,1362.16 1314.16,1341 v1(1315,1341)
G2A2_I2C_CLK: R120.2 R508.2 U36.3 | length 1022
  Top Layer w4: U36.3@438.41,1190 438.57,1190.16 U36.3@452,1190.16
  Top Layer w5.1: v1(428,1358.16) 428,1402.16 420,1410.16 420,2010.16 428,2018.16 v1(428,2030.16) ; U36.3@452,1190.16 v1(480,1190.16)
  Bottom Layer w4: R508.2@446,1190.16 v1(480,1190.16)
  Bottom Layer w5.1: v1(428,1358.16) 500,1286.16 500,1198.16 492,1190.16 v1(480,1190.16) ; v1(428,2030.16) 444,2046.16 R120.2@444,2078.16
G2A2_I2C_SDA: R507.2 U2.1V6 U36.4 | length 2694
  Top Layer w4: U36.4@438.41,1209.69 438.88,1210.16 U36.4@452,1210.16 ; v1(1313,1315.16) 1326.7,1328.86 U2.1V6@1326.97,1328.86
  Top Layer w5.1: v1(408,1374.16) v1(408,2042.16) ; U36.4@452,1210.16 v1(480,1210.16)
  Bottom Layer w4: R507.2@446,1230.16 460,1230.16 v1(480,1210.16) ; 1272,1315.16 v1(1313,1315.16)
  Bottom Layer w5.1: v1(408,1374.16) 408,1346.16 480,1274.16 v1(480,1210.16) ; v1(408,2042.16) 420,2054.16 420,2170.16 436,2186.16 920,2186.16 1068,2038.16 1068,1466.16 1180,1354.16 1233,1354.16 1256.08,1331.08 ; 1257.16,1330 1272,1315.16
  Bottom Layer w10: 1256.08,1331.08 1257.16,1330